# KiCad board pandore.kicad_pcb
title: ${name}-pcb; date: 2025-05-09; rev: ${revision}; company: ${corp}
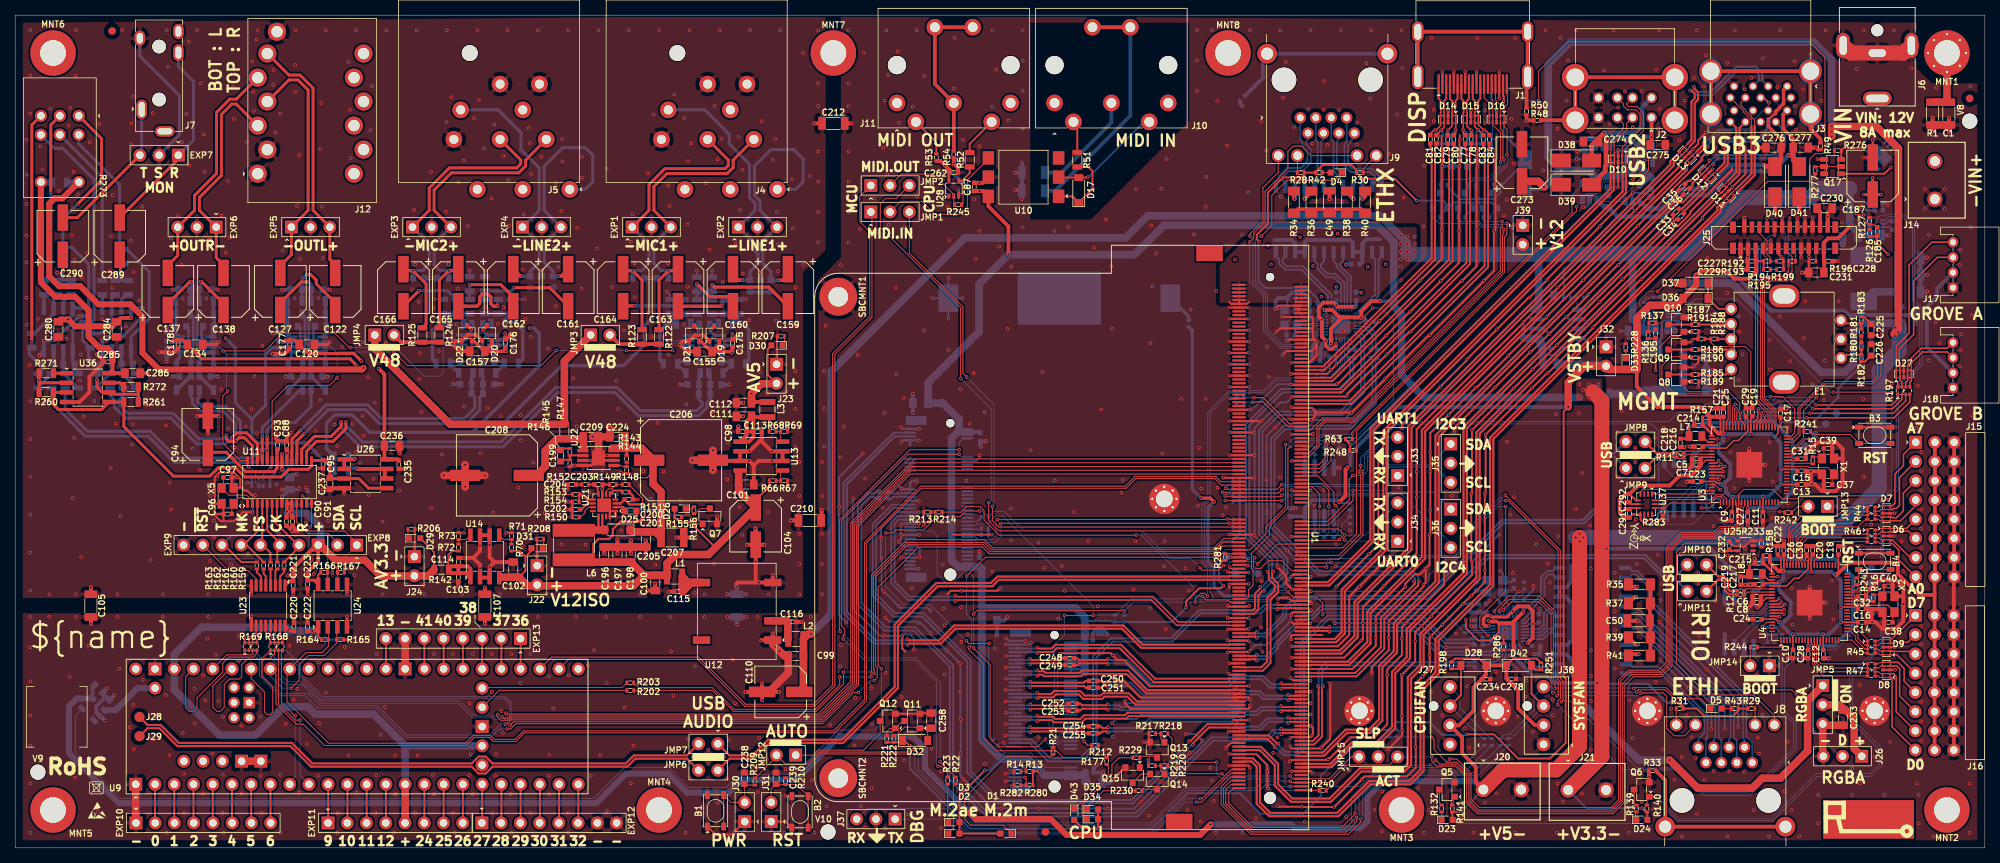
[diagram p0: board, top side]
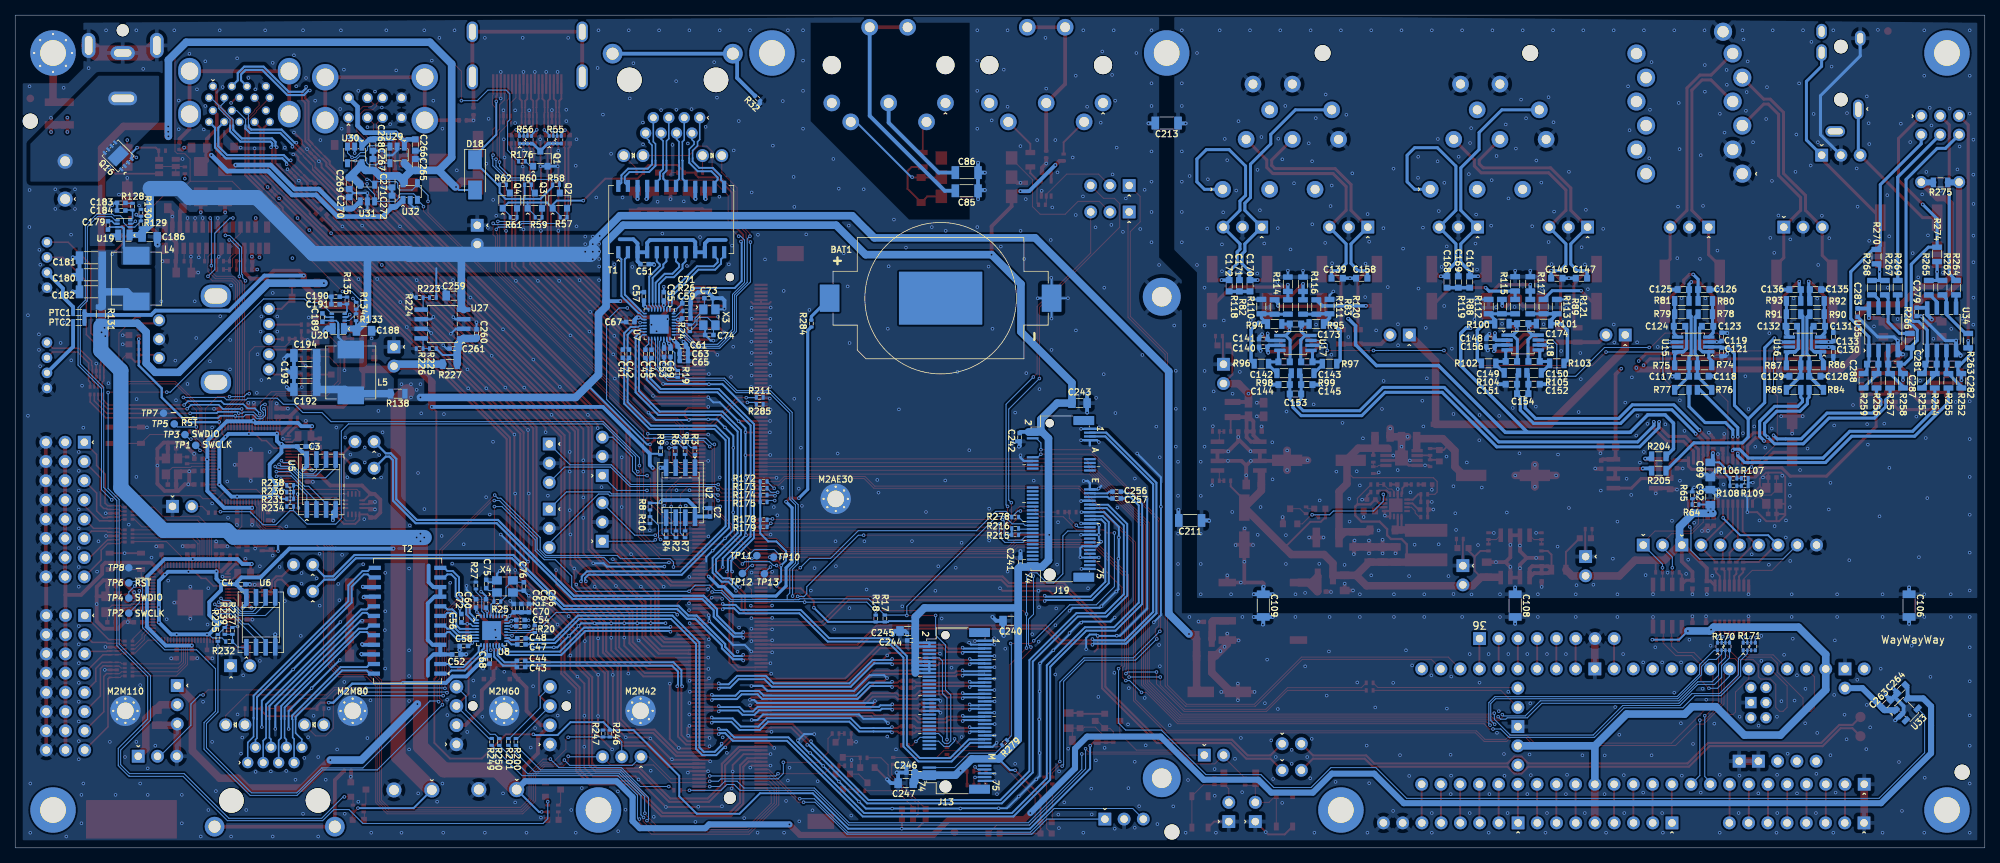
[diagram p1: board, bottom side, seen from below]

Outline 260 x 110 mm; copper layers: Top, In1.Cu, In2.Cu, Bottom. Coordinates in mm from the lower left corner of the outline.
Outline path: 0,110 260,110 260,0 0,0 closed
Stack: Top 0.043mm / dielectric 0.186mm TG-170 er 4.74 / In1.Cu 0.035mm / dielectric 1.03mm TG-170 er 4.6 / In2.Cu 0.035mm / dielectric 0.186mm TG-170 er 4.74 / Bottom 0.043mm

## Placement (name value [footprint] x y rotation side)
B1  mom_tact_no  [tact_460X320X250]  92.45 4.9 90 top
B2  mom_tact_no  [tact_460X320X250]  103.6 4.75 90 top
B3  mom_tact_no  [tact_460X320X250]  245.47 54.5 0 top
B4  mom_tact_no  [tact_460X320X250]  245.46 37.85 0 top
BAT1  CR2032  [keystone_1060]  137.84 72.61 180 bottom
C1  10nF, 630V, X7R  [CAPC3216]  255.25 97 90 top  (not fitted)
C2  100nF, 25V, X7R  [CAPC1005]  168.28 44.32 270 bottom
C3  100nF, 25V, X7R  [CAPC1005]  222.2 53.03 0 bottom
C4  100nF, 25V, X7R  [CAPC1005]  230.18 34.83 0 bottom
C5  100nF, 25V, X7R  [CAPC1005]  221.9 51.4 0 top
C6  100nF, 25V, X7R  [CAPC1005]  229.87 33.2 0 top
C7  100nF, 25V, X7R  [CAPC1005]  221.9 50.6 0 top
C8  100nF, 25V, X7R  [CAPC1005]  229.88 32.4 0 top
C9  100nF, 25V, X7R  [CAPC1005]  226.6 43.8 90 top
C10  100nF, 25V, X7R  [CAPC1005]  234.67 25.6 90 top
C11  100nF, 25V, X7R  [CAPC1005]  230.7 43.8 90 top
C12  100nF, 25V, X7R  [CAPC1005]  238.68 25.6 90 top
C13  100nF, 25V, X7R  [CAPC1005]  235.8 48 180 top
C14  100nF, 25V, X7R  [CAPC1005]  243.77 29.8 180 top
C15  100nF, 25V, X7R  [CAPC1005]  235.8 49.79 180 top
C16  100nF, 25V, X7R  [CAPC1005]  243.77 31.59 180 top
C17  100nF, 25V, X7R  [CAPC1005]  233.01 57.44 270 top
C18  100nF, 25V, X7R  [CAPC1005]  240.67 39.3 270 top
C19  100nF, 25V, X7R  [CAPC1005]  229.3 57.56 270 top
C20  100nF, 25V, X7R  [CAPC1005]  237.27 39.3 270 top
C21  100nF, 25V, X7R  [CAPC1005]  224.7 57.5 270 top
C22  100nF, 25V, X7R  [CAPC1005]  232.67 39.3 270 top
C23  100nF, 25V, X7R  [CAPC1005]  222 48.4 0 top
C24  100nF, 25V, X7R  [CAPC1005]  229.98 30.2 0 top
C25  100nF, 25V, X7R  [CAPC1005]  225.5 57.5 270 top
C26  100nF, 25V, X7R  [CAPC1005]  233.47 39.3 270 top
C27  100nF, 25V, X7R  [CAPC1005]  228.7 43.8 90 top
C28  100nF, 25V, X7R  [CAPC1005]  236.68 25.6 90 top
C29  100nF, 25V, X7R  [CAPC1005]  228.47 57.53 270 top
C30  100nF, 25V, X7R  [CAPC1005]  236.48 39.3 270 top
C31  4.7µF, 6.3V, X5R  [CAPC1005]  235.8 51.39 180 top
C32  4.7µF, 6.3V, X5R  [CAPC1005]  243.77 33.19 180 top
C33  100nF, 25V, X7R  [CAPC1005]  219.26 84.02 225 top
C34  100nF, 25V, X7R  [CAPC1005]  219.86 83.42 225 top
C35  100nF, 25V, X7R  [CAPC1005]  220 87.3 225 top
C36  100nF, 25V, X7R  [CAPC1005]  220.6 86.7 225 top
C37  15pF, 6.3V, X7R  [CAPC1005]  239.3 47.99 0 top
C38  15pF, 6.3V, X7R  [CAPC1005]  247.27 29.79 0 top
C39  15pF, 6.3V, X7R  [CAPC1005]  239.3 52.79 180 top
C40  15pF, 6.3V, X7R  [CAPC1005]  247.27 34.59 180 top
C41  100nF, 25V, X7R  [CAPC1005]  179.78 65.28 270 bottom
C42  100nF, 25V, X7R  [CAPC1005]  178.98 65.28 270 bottom
C43  100nF, 25V, X7R  [CAPC1005]  193.22 23.89 180 bottom
C44  100nF, 25V, X7R  [CAPC1005]  193.22 24.7 180 bottom
C45  100nF, 25V, X7R  [CAPC1005]  176.81 65.25 270 bottom
C46  100nF, 25V, X7R  [CAPC1005]  176 65.25 270 bottom
C47  100nF, 25V, X7R  [CAPC1005]  193.18 26.87 180 bottom
C48  100nF, 25V, X7R  [CAPC1005]  193.18 27.67 180 bottom
C49  1nF, 1kV, X7R  [CAPC3216]  173.5 85.3 270 top
C50  1nF, 1kV, X7R  [CAPC3216]  214.3 30 0 top
C51  100nF, 25V, X7R  [CAPC1005]  176.92 77.11 0 bottom
C52  100nF, 25V, X7R  [CAPC1005]  201.76 25.55 0 bottom
C53  100nF, 25V, X7R  [CAPC1005]  174.35 65.4 90 bottom
C54  100nF, 25V, X7R  [CAPC1005]  193.3 29.27 0 bottom
C55  100nF, 25V, X7R  [CAPC1005]  174.38 72.86 270 bottom
C56  100nF, 25V, X7R  [CAPC1005]  201.1 30.34 270 bottom
C57  100nF, 25V, X7R  [CAPC1005]  177.01 72.85 270 bottom
C58  100nF, 25V, X7R  [CAPC1005]  200.78 26.67 180 bottom
C59  100nF, 25V, X7R  [CAPC1005]  171.4 69.93 0 bottom
C60  100nF, 25V, X7R  [CAPC1005]  197.85 32.28 270 bottom
C61  100nF, 25V, X7R  [CAPC1005]  172.01 66.25 0 bottom
C62  100nF, 25V, X7R  [CAPC1005]  194.18 31.67 270 bottom
C63  4.7µF, 6.3V, X5R  [CAPC1005]  171.74 65.26 0 bottom
C64  4.7µF, 6.3V, X5R  [CAPC1005]  193.18 31.67 270 bottom
C65  4.7µF, 6.3V, X5R  [CAPC1005]  171.72 64.31 0 bottom
C66  4.7µF, 6.3V, X5R  [CAPC1005]  192.18 31.67 270 bottom
C67  100nF, 25V, X7R  [CAPC1005]  178.81 69.45 180 bottom
C68  100nF, 25V, X7R  [CAPC1005]  197.38 24.87 90 bottom
C69  100nF, 25V, X7R  [CAPC1005]  173.49 65.42 90 bottom
C70  100nF, 25V, X7R  [CAPC1005]  193.3 30.1 0 bottom
C71  100nF, 25V, X7R  [CAPC1005]  171.4 71.93 0 bottom
C72  100nF, 25V, X7R  [CAPC1005]  199.17 32.29 270 bottom
C73  12pF, 6.3V, X7R  [CAPC1005]  168.47 72.62 0 bottom
C74  12pF, 6.3V, X7R  [CAPC1005]  168.37 67.75 180 bottom
C75  12pF, 6.3V, X7R  [CAPC1005]  197.82 34.86 270 bottom
C76  12pF, 6.3V, X7R  [CAPC1005]  192.85 34.53 90 bottom
C77  100nF, 25V, X7R  [CAPC1005]  191.4 93.6 270 top
C78  100nF, 25V, X7R  [CAPC1005]  192.2 93.6 270 top
C79  100nF, 25V, X7R  [CAPC1005]  189.1 93.6 270 top
C80  100nF, 25V, X7R  [CAPC1005]  189.9 93.6 270 top
C81  100nF, 25V, X7R  [CAPC1005]  186.8 93.6 270 top
C82  100nF, 25V, X7R  [CAPC1005]  187.6 93.6 270 top
C83  100nF, 25V, X7R  [CAPC1005]  193.8 93.6 270 top
C84  100nF, 25V, X7R  [CAPC1005]  194.6 93.6 270 top
C85  100pF, 1kV, X5R  [CAPC3216]  134.4 86.8 180 bottom
C86  100pF, 1kV, X5R  [CAPC3216]  134.4 89.2 180 bottom
C87  100nF, 25V, X7R  [CAPC1005]  126.6 87.3 270 top
C88  100nF, 25V, X7R  [CAPC1005]  35.84 53.22 270 top
C89  10µF, 25V, X5R  [CAPC2012]  36.24 49.92 90 bottom
C90  100nF, 25V, X7R  [CAPC1005]  35.8 43.1 90 top
C91  100nF, 25V, X7R  [CAPC1005]  36.6 43.1 90 top
C92  10µF, 25V, X5R  [CAPC2012]  36.24 46.32 270 bottom
C93  100nF, 25V, X7R  [CAPC1005]  34.64 53.22 270 top
C94  47µF, 25V, 20%  [CAPAE630Xxxx]  25.44 54.62 90 top
C95  100nF, 25V, X7R  [CAPC1005]  40.65 50.68 90 top
C96  12pF, 6.3V, X7R  [CAPC1005]  28.05 44.1 0 top
C97  12pF, 6.3V, X7R  [CAPC1005]  28.05 48.94 180 top
C98  4.7µF, 6.3V, X5R  [CAPC1005]  96 55 0 top
C99  10µF, 25V, X5R  [CAPC2012]  103.05 25.35 0 top
C100  10µF, 25V, X5R  [CAPC2012]  84.5 35 90 top
C101  10µF, 25V, X5R  [CAPC2012]  96.5 48 180 top
C102  10µF, 25V, X5R  [CAPC2012]  65.75 36.75 270 top
C103  4.7µF, 6.3V, X5R  [CAPC1005]  58.5 35.75 90 top
C104  47µF, 25V, 20%  [CAPAE630Xxxx]  97.75 42.5 270 top
C105  100pF, 1kV, X5R  [CAPC3216]  10 32 270 top  (not fitted)
C106  100pF, 1kV, X5R  [CAPC3216]  10 32 270 bottom  (not fitted)
C107  100pF, 1kV, X5R  [CAPC3216]  62 32 270 top  (not fitted)
C108  100pF, 1kV, X5R  [CAPC3216]  62 32 270 bottom  (not fitted)
C109  100pF, 1kV, X5R  [CAPC3216]  95.25 32 270 bottom
C110  47µF, 25V, 20%  [CAPAE630Xxxx]  101.05 20.6 180 top
C111  10µF, 25V, X5R  [CAPC2012]  96.2 57 0 top
C112  10µF, 25V, X5R  [CAPC2012]  96.2 58.8 0 top
C113  100nF, 25V, X7R  [CAPC1005]  98 55 180 top
C114  100nF, 25V, X7R  [CAPC1005]  58.5 37.75 270 top
C115  100nF, 25V, X7R  [CAPC1005]  87.55 33.85 0 top
C116  100nF, 25V, X7R  [CAPC1005]  102.55 29.85 180 top
C117  1.3nF, 16V, C0G  [CAPC1608]  39.8 62.3 180 bottom
C118  1.3nF, 16V, C0G  [CAPC1608]  37.2 62.3 180 bottom
C119  100nF, 25V, X7R  [CAPC1005]  34.75 67.5 270 bottom
C120  10µF, 25V, X5R  [CAPC2012]  38.5 66.5 180 top
C121  220nF, 16V, X7R  [CAPC1005]  34.75 65.5 90 bottom
C122  100µF, 25V, 20%  [CAPAE630Xxxx]  42.25 73.5 90 top
C123  300pF, 16V, C0G  [CAPC1608]  36.6 68.9 0 bottom
C124  300pF, 16V, C0G  [CAPC1608]  40.3 68.9 180 bottom
C125  33nF, 16V, X7R  [CAPC1608]  39.8 73.75 180 bottom
C126  33nF, 16V, X7R  [CAPC1608]  37.1 73.75 180 bottom
C127  100µF, 25V, 20%  [CAPAE630Xxxx]  35 73.5 90 top
C128  1.3nF, 16V, C0G  [CAPC1608]  22.45 62.3 180 bottom
C129  1.3nF, 16V, C0G  [CAPC1608]  25.05 62.3 180 bottom
C130  220nF, 16V, X7R  [CAPC1005]  20 65.5 90 bottom
C131  300pF, 16V, C0G  [CAPC1608]  21.85 68.9 0 bottom
C132  300pF, 16V, C0G  [CAPC1608]  25.55 68.9 180 bottom
C133  100nF, 25V, X7R  [CAPC1005]  20 67.5 270 bottom
C134  10µF, 25V, X5R  [CAPC2012]  23.75 66.5 180 top
C135  33nF, 16V, X7R  [CAPC1608]  22.35 73.75 180 bottom
C136  33nF, 16V, X7R  [CAPC1608]  25.05 73.75 180 bottom
C137  100µF, 25V, 20%  [CAPAE630Xxxx]  20.15 73.5 90 top
C138  100µF, 25V, 20%  [CAPAE630Xxxx]  27.5 73.5 90 top
C139  100pF, 50V, C0G  [CAPC1608]  85.5 75.25 180 bottom
C140  100nF, 25V, X7R  [CAPC1005]  95.25 66.2 180 bottom
C141  220nF, 16V, X7R  [CAPC1005]  95.25 67.2 180 bottom
C142  1.3nF, 16V, C0G  [CAPC1608]  92.5 64.2 180 bottom
C143  1.3nF, 16V, C0G  [CAPC1608]  89.5 64.2 0 bottom
C144  100pF, 50V, C0G  [CAPC1608]  92.5 61.2 0 bottom
C145  100pF, 50V, C0G  [CAPC1608]  89.5 61.2 0 bottom
C146  100pF, 50V, C0G  [CAPC1608]  56.5 75.25 180 bottom
C147  100pF, 50V, C0G  [CAPC1608]  53.25 75.25 180 bottom
C148  220nF, 16V, X7R  [CAPC1005]  65.25 67.25 180 bottom
C149  1.3nF, 16V, C0G  [CAPC1608]  62.5 64.25 180 bottom
C150  1.3nF, 16V, C0G  [CAPC1608]  59.5 64.25 0 bottom
C151  100pF, 50V, C0G  [CAPC1608]  62.5 61.25 0 bottom
C152  100pF, 50V, C0G  [CAPC1608]  59.5 61.25 0 bottom
C153  2.7nF, 16V, C0G  [CAPC1608]  91 59.95 0 bottom
C154  2.7nF, 16V, C0G  [CAPC1608]  61 60 0 bottom
C155  10µF, 25V, X5R  [CAPC2012]  91 65.55 0 top
C156  100nF, 25V, X7R  [CAPC1005]  65.25 66.25 180 bottom
C157  10µF, 25V, X5R  [CAPC2012]  61 65.6 0 top
C158  100pF, 50V, C0G  [CAPC1608]  82.25 75.25 180 bottom
C159  100µF, 25V, 20%  [CAPAE630Xxxx]  102 74 270 top
C160  100µF, 25V, 20%  [CAPAE630Xxxx]  94.75 74 270 top
C161  100µF, 25V, 20%  [CAPAE630Xxxx]  73 74 270 top
C162  100µF, 25V, 20%  [CAPAE630Xxxx]  65.75 74 270 top
C163  33µF, 63V, 20%  [CAPAE630Xxxx]  87.5 74 270 top
C164  33µF, 63V, 20%  [CAPAE630Xxxx]  80.25 74 270 top
C165  33µF, 63V, 20%  [CAPAE630Xxxx]  58.5 74 270 top
C166  33µF, 63V, 20%  [CAPAE630Xxxx]  51.25 74 270 top
C167  100pF, 50V, C0G  [CAPC1608]  68 74.75 90 bottom
C168  100pF, 50V, C0G  [CAPC1608]  71 74.75 90 bottom
C169  100pF, 50V, C0G  [CAPC1608]  69.5 74.75 270 bottom
C170  100pF, 50V, C0G  [CAPC1608]  97 74.25 90 bottom
C171  100pF, 50V, C0G  [CAPC1608]  98.4 74.25 270 bottom
C172  100pF, 50V, C0G  [CAPC1608]  99.75 74.25 90 bottom
C173  100pF, 50V, C0G  [CAPC1608]  91 69.2 0 bottom
C174  100pF, 50V, C0G  [CAPC1608]  61 69.25 0 bottom
C175  100nF, 25V, X7R  [CAPC1005]  94.7 66.65 270 top
C176  100nF, 25V, X7R  [CAPC1005]  64.7 66.7 270 top
C177  100nF, 25V, X7R  [CAPC1005]  36.25 66.5 90 top
C178  100nF, 25V, X7R  [CAPC1005]  21.5 66.5 90 top
C179  100nF, 25V, X7R  [CAPC1005]  247.75 82.23 270 bottom
C180  22µF, 25V, X5R  [CAPC3216]  250 75.7 180 bottom
C181  22µF, 25V, X5R  [CAPC3216]  250 77.95 180 bottom
C182  22µF, 25V, X5R  [CAPC3216]  250 73.45 180 bottom
C183  1nF, 16V, X7R  [CAPC1005]  246 85.2 180 bottom
C184  68pF, 10V, X7R  [CAPC1005]  246 84.2 180 bottom
C185  47pF, 10V, X7R  [CAPC1005]  245.78 81.41 270 top
C186  10µF, 25V, X5R  [CAPC2012]  242.25 80.7 0 bottom
C187  100µF, 25V, 20%  [CAPAE630Xxxx]  245.2 88.75 90 top
C188  10µF, 25V, X5R  [CAPC2012]  213.95 68.3 0 bottom
C189  100nF, 25V, X7R  [CAPC1005]  219.45 70.05 270 bottom
C190  1nF, 16V, X7R  [CAPC1005]  217.7 72.8 180 bottom
C191  68pF, 10V, X7R  [CAPC1005]  217.7 71.8 180 bottom
C192  22µF, 25V, X5R  [CAPC3216]  221.7 60.55 180 bottom
C193  22µF, 25V, X5R  [CAPC3216]  221.7 62.8 180 bottom
C194  22µF, 25V, X5R  [CAPC3216]  221.7 65.05 180 bottom
C195  47pF, 10V, X7R  [CAPC1005]  216.54 67.92 270 top
C196  10µF, 25V, X5R  [CAPC2012]  77.75 38.75 270 top
C197  10µF, 25V, X5R  [CAPC2012]  79.5 38.75 270 top
C198  10µF, 25V, X5R  [CAPC2012]  81.25 38.75 270 top
C199  10nF, 100V, X7R  [CAPC1608]  72 51.8 90 top
C200  100nF, 25V, X7R  [CAPC1005]  81 46.03 180 top
C201  1µF, 16V, X7R  [CAPC1608]  81.25 44.5 180 top
C202  12nF, 16V, X7R  [CAPC1005]  74 44.7 0 top
C203  1pF, 16V, X7R  [CAPC1005]  77 48 180 top
C204  1nF, 16V, X7R  [CAPC1005]  73.5 48 0 top
C205  100nF, 100V, X7R  [CAPC2012]  83.25 40.75 90 top
C206  56µF, 100V, 20%  [CAPAE1000Xxxx]  87.9 51.2 0 top
C207  10µF, 100V, X5R  [CAPC3225]  86.75 41 180 top
C208  56µF, 100V, 20%  [CAPAE1000Xxxx]  63.6 49.2 180 top
C209  100nF, 100V, X7R  [CAPC2012]  76 54.3 180 top
C210  100pF, 1kV, X5R  [CAPC3216]  104.9 43.25 0 top  (not fitted)
C211  100pF, 1kV, X5R  [CAPC3216]  104.9 43.25 0 bottom  (not fitted)
C212  100pF, 1kV, X5R  [CAPC3216]  108 95.7 0 top  (not fitted)
C213  100pF, 1kV, X5R  [CAPC3216]  108 95.75 0 bottom  (not fitted)
C214  4.7µF, 6.3V, X5R  [CAPC1005]  222.2 55.8 0 top
C215  4.7µF, 6.3V, X5R  [CAPC1005]  230.18 37.6 0 top
C216  4.7µF, 6.3V, X5R  [CAPC1005]  222.2 53 0 top
C217  4.7µF, 6.3V, X5R  [CAPC1005]  230.18 34.8 0 top
C218  4.7µF, 6.3V, X5R  [CAPC1005]  219.8 53.5 90 top
C219  4.7µF, 6.3V, X5R  [CAPC1005]  227.78 35.3 90 top
C220  100nF, 25V, X7R  [CAPC1005]  36.8 29.2 270 top
C221  100nF, 25V, X7R  [CAPC1005]  36.7 34.7 90 top
C222  100nF, 25V, X7R  [CAPC1005]  38.6 29.2 270 top
C223  100nF, 25V, X7R  [CAPC1005]  38.6 34.8 90 top
C224  100nF, 100V, X7R  [CAPC2012]  79.5 54.3 0 top
C225  10nF, 100V, X7R  [CAPC1608]  244.98 68.48 270 top
C226  10nF, 100V, X7R  [CAPC1608]  244.98 65.78 90 top
C227  100nF, 25V, X7R  [CAPC1005]  229.25 77.5 0 top
C228  100nF, 25V, X7R  [CAPC1005]  239.35 77.5 180 top
C229  4.7µF, 6.3V, X5R  [CAPC1005]  229.25 76.4 0 top
C230  10µF, 25V, X5R  [CAPC2012]  238.85 84.5 180 top
C231  10µF, 25V, X5R  [CAPC2012]  237.75 76 0 top
C232  100nF, 25V, X7R  [CAPC1005]  226.25 39.95 270 top
C233  10µF, 25V, X5R  [CAPC2012]  241.3 17.2 90 top
C234  100nF, 25V, X7R  [CAPC1005]  194.16 22.29 180 top
C235  100nF, 25V, X7R  [CAPC1005]  50.64 50.62 90 top
C236  10µF, 25V, X5R  [CAPC2012]  49.74 53.12 180 top
C237  1µF, 16V, X7R  [CAPC1608]  41.54 48.12 90 top
C238  1µF, 16V, X7R  [CAPC1608]  96.25 9.2 270 top
C239  1µF, 16V, X7R  [CAPC1608]  100.45 9.2 270 top
C240  10µF, 25V, X5R  [CAPC2012]  128.6 30 180 bottom
C241  100nF, 25V, X7R  [CAPC1005]  127.3 37.75 270 bottom
C242  100nF, 25V, X7R  [CAPC1005]  127.4 54.25 90 bottom
C243  10µF, 25V, X5R  [CAPC2012]  119.5 58.75 0 bottom
C244  100nF, 25V, X7R  [CAPC1005]  141.7 27.4 180 bottom
C245  10µF, 25V, X5R  [CAPC2012]  142.2 28.65 180 bottom
C246  100nF, 25V, X7R  [CAPC1005]  141.8 9.95 180 bottom
C247  10µF, 25V, X5R  [CAPC2012]  142.45 8.55 180 bottom
C248  220nF, 16V, X7R  [CAPC1005]  139.2 25.05 0 top
C249  220nF, 16V, X7R  [CAPC1005]  139.2 24.15 0 top
C250  220nF, 16V, X7R  [CAPC1005]  142.3 22.05 0 top
C251  220nF, 16V, X7R  [CAPC1005]  142.3 21.15 0 top
C252  220nF, 16V, X7R  [CAPC1005]  139.6 19.05 0 top
C253  220nF, 16V, X7R  [CAPC1005]  139.6 18.15 0 top
C254  220nF, 16V, X7R  [CAPC1005]  142.3 16.05 0 top
C255  220nF, 16V, X7R  [CAPC1005]  142.3 15.15 0 top
C256  220nF, 16V, X7R  [CAPC1005]  114.6 47.05 180 bottom
C257  220nF, 16V, X7R  [CAPC1005]  114.6 46.15 180 bottom
C258  10µF, 25V, X5R  [CAPC2012]  120.93 16.81 270 top
C259  10µF, 25V, X5R  [CAPC2012]  202.1 72.95 180 bottom
C260  100nF, 25V, X7R  [CAPC1005]  199.1 67.95 270 bottom
C261  4.7µF, 6.3V, X5R  [CAPC1005]  202.1 65.95 180 bottom
C262  100nF, 25V, X7R  [CAPC1005]  123.9 89.2 180 top
C263  1µF, 16V, X7R  [CAPC1608]  13 19 315 bottom
C264  1µF, 16V, X7R  [CAPC1608]  11.02 20.98 135 bottom
C265  1µF, 16V, X7R  [CAPC1608]  207.18 90.24 270 bottom
C266  1µF, 16V, X7R  [CAPC1608]  207.18 92.84 90 bottom
C267  1µF, 16V, X7R  [CAPC1608]  212.78 90.24 270 bottom
C268  1µF, 16V, X7R  [CAPC1608]  212.78 92.84 90 bottom
C269  1µF, 16V, X7R  [CAPC1608]  215.9 87.8 90 bottom
C270  1µF, 16V, X7R  [CAPC1608]  215.9 85.2 270 bottom
C271  1µF, 16V, X7R  [CAPC1608]  210.25 88 90 bottom
C272  1µF, 16V, X7R  [CAPC1608]  210.25 85.4 270 bottom
C273  100µF, 25V, 20%  [CAPAE630Xxxx]  198.9 90.5 90 top
C274  10µF, 25V, X5R  [CAPC2012]  208 93.3 0 top
C275  10µF, 25V, X5R  [CAPC2012]  216.82 92.85 180 top
C276  10µF, 25V, X5R  [CAPC2012]  232.1 92.5 0 top
C277  10µF, 25V, X5R  [CAPC2012]  235.7 92.5 180 top
C278  100nF, 25V, X7R  [CAPC1005]  197.57 22.3 180 top
C279  100nF, 25V, X7R  [CAPC1005]  9.01 70.8 90 bottom
C280  10µF, 25V, X5R  [CAPC2012]  5.71 68.5 90 top
C281  300pF, 16V, C0G  [CAPC1608]  7.11 63.9 180 bottom  (not fitted)
C282  300pF, 16V, C0G  [CAPC1608]  4.31 63.9 180 bottom  (not fitted)
C283  100nF, 25V, X7R  [CAPC1005]  16.8 70.7 90 bottom
C284  10µF, 25V, X5R  [CAPC2012]  13.4 68.5 90 top
C285  100nF, 25V, X7R  [CAPC1005]  12.3 64.2 0 top
C286  10µF, 25V, X5R  [CAPC2012]  15.5 62.7 180 top
C287  300pF, 16V, C0G  [CAPC1608]  12.01 63.9 180 bottom  (not fitted)
C288  300pF, 16V, C0G  [CAPC1608]  14.81 63.9 180 bottom  (not fitted)
C289  100µF, 25V, 20%  [CAPAE630Xxxx]  13.8 80.8 90 top
C290  100µF, 25V, 20%  [CAPAE630Xxxx]  6.3 80.8 90 top
C291  100nF, 25V, X7R  [CAPC1005]  213.1 44.19 270 top
C292  100nF, 25V, X7R  [CAPC1005]  213.1 46.2 90 top
D1  blue  [LEDM1608X80]  130.8 1.9 180 top
D2  blue  [LEDM1608X80]  123.9 1.9 0 top
D3  green  [LEDM1608X80]  123.9 3.4 0 top
D4  green  [LEDM1608X80]  174.4 89.2 180 top
D5  green  [LEDM1608X80]  224.5 18.4 0 top
D6  5V  [DFN50P100X250X55-10_ESD204]  247.01 41.2 0 top
D7  5V  [DFN50P100X250X55-10_ESD204]  247.01 44.2 0 top
D8  5V  [DFN50P100X250X55-10_ESD204]  247.01 23.51 180 top
D9  5V  [DFN50P100X250X55-10_ESD204]  247.01 26.51 180 top
D10  5V  [DFN50P100X250X55-10_ESD204]  211.6 91 270 top
D11  5V  [DFN50P100X250X55-10_ESD204]  225.9 86.5 225 top
D12  5V  [DFN50P100X250X55-10_ESD204]  223.35 88.95 225 top
D13  5V  [DFN50P100X250X55-10_ESD204]  220.7 91.5 225 top
D14  5V  [DFN50P100X250X55-10_ESD204]  189.15 96.25 270 top
D15  5V  [DFN50P100X250X55-10_ESD204]  192.15 96.25 270 top
D16  5V  [DFN50P100X250X55-10_ESD204]  195.55 96.25 270 top
D17  75V, 150mA, 1V@100mA  [sod-123]  140.4 86.9 90 top
D18  40V, 3A, 500mV@3A  [dio_sma]  199.3 88.9 270 bottom
D19  75V, 140mA, 1.25V@150mA  [SOT65P210X90-3]  92.3 67.95 90 top
D20  75V, 140mA, 1.25V@150mA  [SOT65P210X90-3]  62.3 68 90 top
D21  75V, 140mA, 1.25V@150mA  [SOT65P210X90-3]  89.6 67.95 90 top
D22  75V, 140mA, 1.25V@150mA  [SOT65P210X90-3]  59.6 68 90 top
D23  orange  [LEDM1608X80]  189 3.7 0 top
D24  orange  [LEDM1608X80]  214.7 3.7 0 top
D25  100V, 150mA, 450mV@10mA  [sod-123]  79.5 42 180 top
D26  orange  [LEDM1608X80]  87.8 44.8 180 top
D27  5V  [DFN50P100X250X55-10_ESD204]  249.3 62.6 90 top
D28  75V, 150mA, 1V@100mA  [sod-123]  192.5 24.1 180 top
D29  orange  [LEDM1608X80]  52.72 40.9 0 top
D30  orange  [LEDM1608X80]  100.58 66.38 180 top
D31  orange  [LEDM1608X80]  68.9 39.6 180 top
D32  75V, 150mA, 1V@100mA  [sod-123]  118.8 14.2 0 top
D33  orange  [LEDM1608X80]  212.6 63.95 270 top
D34  blue  [LEDM1608X80]  142.2 3.8 0 top
D35  green  [LEDM1608X80]  142.2 5.1 0 top
D36  75V, 150mA, 1V@100mA  [sod-123]  221.8 72.6 180 top
D37  75V, 150mA, 1V@100mA  [sod-123]  221.8 74.6 180 top
D38  6V  [dio_sma]  206.1 90.8 0 top
D39  6V  [dio_sma]  206.1 87.6 0 top
D40  6V  [dio_sma]  232.3 88 90 top
D41  6V  [dio_sma]  235.5 88 90 top
D42  75V, 150mA, 1V@100mA  [sod-123]  198.5 24.1 0 top
D43  red  [LEDM1608X80]  139.8 4.43 270 top
E1  24p + sw + rgb  [bourns_PEL12T-4xxxx-S]  233.5 67.2 90 top
EXP1  MIC1  [HDR254P1X03-TH]  84 82 90 top
EXP2  LINE1  [HDR254P1X03-TH]  98.01 82 90 top
EXP3  MIC2  [HDR254P1X03-TH]  54.99 82 90 top
EXP4  LINE2  [HDR254P1X03-TH]  69.51 82 90 top
EXP5  OUTL  [HDR254P1X03-TH]  39.01 82 90 top
EXP6  OUTR  [HDR254P1X03-TH]  23.99 82 270 top
EXP7  MON  [HDR254P1X03-TH]  18.99 91.5 270 top
EXP8  I2C  [HDR254P1X02-TH]  43.81 40 270 top
EXP9  I2S  [HDR254P1X08-TH]  31.12 40 270 top
EXP10  GPIOA  [HDR254P1X08-TH]  24.83 3.3 90 top
EXP11  GPIOB  [HDR254P1X08-TH]  50.18 3.3 90 top
EXP12  GPIOC  [HDR254P1X08-TH]  70.49 3.3 90 top
EXP13  GPIOD  [HDR254P1X08-TH]  57.82 27.65 270 top
J1  HDMI  [te_1747981-1]  192.4 105.8 90 top
J2  USB2-A_2stacked  [USB2_A_RCPT_HORZ_2STACKED]  212.5 101.8 180 top
J3  USB3-A_2stacked  [USB3_A_RCPT_HORZ_2STACKED]  230.4 102.6 180 top
J4  XLR+TRS6.35+3SW  [neutrik_ncj9fi-h-0]  91.41 93.59 180 top
J5  XLR+TRS6.35+3SW  [neutrik_ncj9fi-h-0]  64.01 93.59 180 top
J6  VIN  [samesky_PJ-063BH]  245.8 108 0 top
J7  TRS  [samesky_SJ3-3508x]  19 102 0 top
J8  8p8c_2led_shield  [amphenol_RJE58-188-54x1-0x]  225.74 11.26 180 top
J9  8p8c_2led_shield  [amphenol_RJE58-188-54x1-0x]  173.2 96.45 0 top
J10  MIDI_in  [samesky_SDS-50J]  144.7 103 90 top
J11  MIDI_out  [samesky_SDS-50J]  123.9 103 90 top
J12  TRS  [neutrik_nsj12hf-1]  40.52 97.39 90 top
J13  NGFF_M.2_M  [NGFF_M.2_CONN#2]  135.68 18.1 270 bottom
J14  VIN  [Wurth_691137710002]  253.4 88.2 90 top
J15  AIO  [HDR254P3X8-THRA]  253.41 44.69 0 top
J16  DIO  [HDR254P3X8-THRA]  253.36 21.81 0 top
J17  GROVE  [te_2041145-4]  258.83 77 0 top
J18  GROVE  [te_2041145-4]  258.83 63.75 0 top
J19  NGFF_M.2_AE  [NGFF_M.2_CONN]  121.91 46.1 270 bottom
J20  V5  [Wurth_691137710002]  196.3 7.7 0 top
J21  V3.3  [Wurth_691137710002]  207.5 7.65 0 top
J22  V12ISO  [HDR254P1X02-TH]  68.9 36 0 top
J23  AV5  [HDR254P1X02-TH]  100.5 62.6 0 top
J24  AV3P3  [HDR254P1X02-TH]  52.7 37.2 0 top
J25  DISPLAY  [gct_FFC2A32-24-T]  233.5 80.6 90 top
J26  RGBA  [HDR254P1X03-TH]  241.2 12.1 270 top
J27  hdr-1x4  [molex_0470531000]  189.4 17.46 270 top
J28  AUDIO.D-  [samesky_CPG-23]  16.42 17.29 0 top
J29  AUDIO.D+  [samesky_CPG-23]  16.42 14.75 0 top
J30  PWRBTN  [HDR254P1X02-TH]  96.3 4.75 180 top
J31  RSTBTN  [HDR254P1X02-TH]  99.8 4.75 180 top
J32  VSTBY  [HDR254P1X02-TH]  210 64.9 0 top
J33  UART1  [HDR254P1X03-TH]  182.5 51.72 180 top
J34  UART0  [HDR254P1X03-TH]  182.5 43.05 180 top
J35  I2C3  [HDR254P1X03-TH]  189.5 50.8 0 top
J36  I2C4  [HDR254P1X03-TH]  189.5 42.2 0 top
J37  UARTDBG  [HDR254P1X03-TH]  113.61 3.8 270 top
J38  hdr-1x4  [molex_0470531000]  201.75 17.48 270 top
J39  V12  [HDR254P1X02-TH]  199 80.96 0 top
JMP1  MIDIRX  [HDR254P1X03-TH]  115.5 84 90 top